# Altium PCB PCB ASCII (pokey v1.0-A01).PcbDoc (part 1 of 5) (continued)
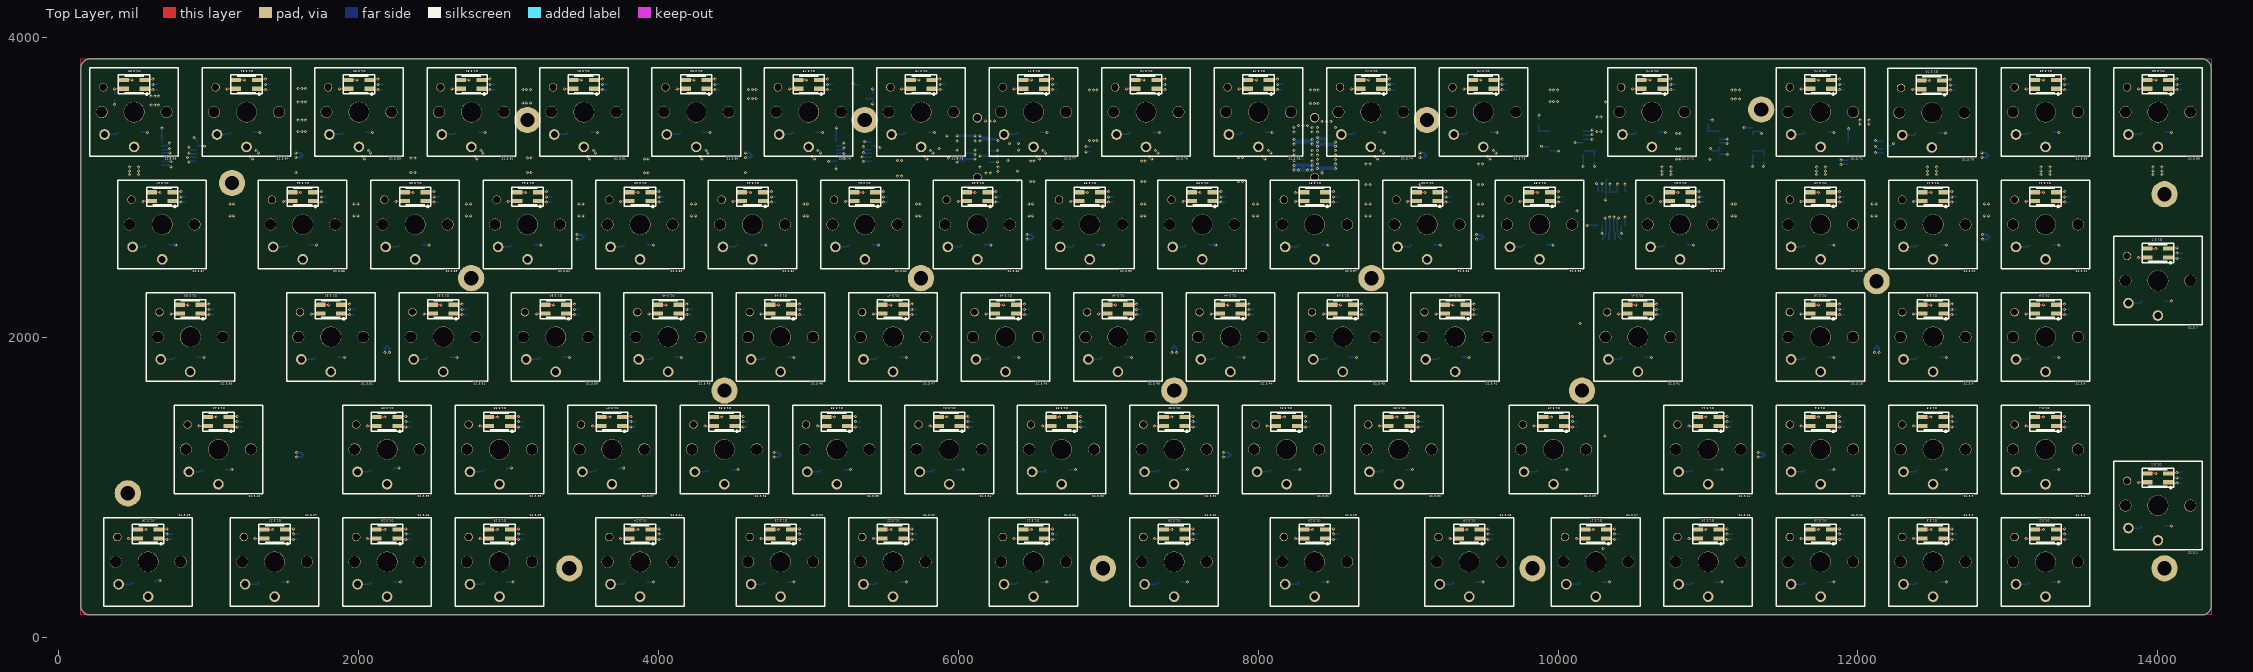
[diagram p0: Top Layer view]
## Design rules (kind name [scope] priority, off if disabled: settings) (continued)
RoomDefinition U175 [All] p0: scope1count=1 scope1_0_kind=ComponentClass scope1_0_value=U175 scope2count=1 scope2_0_kind=Board scope2_0_value=Board commentlength=0 region_x1=76875000 region_y1=31875000 region_x2=83125000 region_y2=38175000 confinementstyle=ConfineIn
RoomDefinition U174 [All] p0: scope1count=1 scope1_0_kind=ComponentClass scope1_0_value=U174 scope2count=1 scope2_0_kind=Board scope2_0_value=Board commentlength=0 region_x1=84375000 region_y1=31875000 region_x2=90625000 region_y2=38175000 confinementstyle=ConfineIn
RoomDefinition U173 [All] p0: scope1count=1 scope1_0_kind=ComponentClass scope1_0_value=U173 scope2count=1 scope2_0_kind=Board scope2_0_value=Board commentlength=0 region_x1=91875000 region_y1=31875000 region_x2=98125000 region_y2=38175000 confinementstyle=ConfineIn
RoomDefinition U172 [All] p0: scope1count=1 scope1_0_kind=ComponentClass scope1_0_value=U172 scope2count=1 scope2_0_kind=Board scope2_0_value=Board commentlength=0 region_x1=103125000 region_y1=31875000 region_x2=109375000 region_y2=38175000 confinementstyle=ConfineIn
RoomDefinition U171 [All] p0: scope1count=1 scope1_0_kind=ComponentClass scope1_0_value=U171 scope2count=1 scope2_0_kind=Board scope2_0_value=Board commentlength=0 region_x1=114375000 region_y1=31875000 region_x2=120625000 region_y2=38175000 confinementstyle=ConfineIn
RoomDefinition U170 [All] p0: scope1count=1 scope1_0_kind=ComponentClass scope1_0_value=U170 scope2count=1 scope2_0_kind=Board scope2_0_value=Board commentlength=0 region_x1=121792916 region_y1=31836820 region_x2=128042916 region_y2=38136820 confinementstyle=ConfineIn
RoomDefinition U169 [All] p0: scope1count=1 scope1_0_kind=ComponentClass scope1_0_value=U169 scope2count=1 scope2_0_kind=Board scope2_0_value=Board commentlength=0 region_x1=129375000 region_y1=31875000 region_x2=135625000 region_y2=38175000 confinementstyle=ConfineIn
RoomDefinition U168 [All] p0: scope1count=1 scope1_0_kind=ComponentClass scope1_0_value=U168 scope2count=1 scope2_0_kind=Board scope2_0_value=Board commentlength=0 region_x1=136875000 region_y1=31875000 region_x2=143125000 region_y2=38175000 confinementstyle=ConfineIn
RoomDefinition U167 [All] p0: scope1count=1 scope1_0_kind=ComponentClass scope1_0_value=U167 scope2count=1 scope2_0_kind=Board scope2_0_value=Board commentlength=0 region_x1=3750000 region_y1=24375000 region_x2=10000000 region_y2=30675000 confinementstyle=ConfineIn
RoomDefinition U166 [All] p0: scope1count=1 scope1_0_kind=ComponentClass scope1_0_value=U166 scope2count=1 scope2_0_kind=Board scope2_0_value=Board commentlength=0 region_x1=13125000 region_y1=24375000 region_x2=19375000 region_y2=30675000 confinementstyle=ConfineIn
RoomDefinition U165 [All] p0: scope1count=1 scope1_0_kind=ComponentClass scope1_0_value=U165 scope2count=1 scope2_0_kind=Board scope2_0_value=Board commentlength=0 region_x1=20625000 region_y1=24375000 region_x2=26875000 region_y2=30675000 confinementstyle=ConfineIn
RoomDefinition U164 [All] p0: scope1count=1 scope1_0_kind=ComponentClass scope1_0_value=U164 scope2count=1 scope2_0_kind=Board scope2_0_value=Board commentlength=0 region_x1=28125000 region_y1=24375000 region_x2=34375000 region_y2=30675000 confinementstyle=ConfineIn
RoomDefinition U163 [All] p0: scope1count=1 scope1_0_kind=ComponentClass scope1_0_value=U163 scope2count=1 scope2_0_kind=Board scope2_0_value=Board commentlength=0 region_x1=35625000 region_y1=24375000 region_x2=41875000 region_y2=30675000 confinementstyle=ConfineIn
RoomDefinition U162 [All] p0: scope1count=1 scope1_0_kind=ComponentClass scope1_0_value=U162 scope2count=1 scope2_0_kind=Board scope2_0_value=Board commentlength=0 region_x1=43125000 region_y1=24375000 region_x2=49375000 region_y2=30675000 confinementstyle=ConfineIn
RoomDefinition U161 [All] p0: scope1count=1 scope1_0_kind=ComponentClass scope1_0_value=U161 scope2count=1 scope2_0_kind=Board scope2_0_value=Board commentlength=0 region_x1=50625000 region_y1=24375000 region_x2=56875000 region_y2=30675000 confinementstyle=ConfineIn
RoomDefinition U160 [All] p0: scope1count=1 scope1_0_kind=ComponentClass scope1_0_value=U160 scope2count=1 scope2_0_kind=Board scope2_0_value=Board commentlength=0 region_x1=58125000 region_y1=24375000 region_x2=64375000 region_y2=30675000 confinementstyle=ConfineIn
RoomDefinition U159 [All] p0: scope1count=1 scope1_0_kind=ComponentClass scope1_0_value=U159 scope2count=1 scope2_0_kind=Board scope2_0_value=Board commentlength=0 region_x1=65625000 region_y1=24375000 region_x2=71875000 region_y2=30675000 confinementstyle=ConfineIn
RoomDefinition U158 [All] p0: scope1count=1 scope1_0_kind=ComponentClass scope1_0_value=U158 scope2count=1 scope2_0_kind=Board scope2_0_value=Board commentlength=0 region_x1=73125000 region_y1=24375000 region_x2=79375000 region_y2=30675000 confinementstyle=ConfineIn
RoomDefinition U157 [All] p0: scope1count=1 scope1_0_kind=ComponentClass scope1_0_value=U157 scope2count=1 scope2_0_kind=Board scope2_0_value=Board commentlength=0 region_x1=80625000 region_y1=24375000 region_x2=86875000 region_y2=30675000 confinementstyle=ConfineIn
RoomDefinition U156 [All] p0: scope1count=1 scope1_0_kind=ComponentClass scope1_0_value=U156 scope2count=1 scope2_0_kind=Board scope2_0_value=Board commentlength=0 region_x1=88125000 region_y1=24375000 region_x2=94375000 region_y2=30675000 confinementstyle=ConfineIn
RoomDefinition U155 [All] p0: scope1count=1 scope1_0_kind=ComponentClass scope1_0_value=U155 scope2count=1 scope2_0_kind=Board scope2_0_value=Board commentlength=0 region_x1=95625000 region_y1=24375000 region_x2=101875000 region_y2=30675000 confinementstyle=ConfineIn
RoomDefinition U154 [All] p0: scope1count=1 scope1_0_kind=ComponentClass scope1_0_value=U154 scope2count=1 scope2_0_kind=Board scope2_0_value=Board commentlength=0 region_x1=105000000 region_y1=24375000 region_x2=111250000 region_y2=30675000 confinementstyle=ConfineIn
RoomDefinition U153 [All] p0: scope1count=1 scope1_0_kind=ComponentClass scope1_0_value=U153 scope2count=1 scope2_0_kind=Board scope2_0_value=Board commentlength=0 region_x1=5625000 region_y1=16875000 region_x2=11875000 region_y2=23175000 confinementstyle=ConfineIn
RoomDefinition U152 [All] p0: scope1count=1 scope1_0_kind=ComponentClass scope1_0_value=U152 scope2count=1 scope2_0_kind=Board scope2_0_value=Board commentlength=0 region_x1=15000000 region_y1=16875000 region_x2=21250000 region_y2=23175000 confinementstyle=ConfineIn
RoomDefinition U151 [All] p0: scope1count=1 scope1_0_kind=ComponentClass scope1_0_value=U151 scope2count=1 scope2_0_kind=Board scope2_0_value=Board commentlength=0 region_x1=22500000 region_y1=16875000 region_x2=28750000 region_y2=23175000 confinementstyle=ConfineIn
RoomDefinition U150 [All] p0: scope1count=1 scope1_0_kind=ComponentClass scope1_0_value=U150 scope2count=1 scope2_0_kind=Board scope2_0_value=Board commentlength=0 region_x1=30000000 region_y1=16875000 region_x2=36250000 region_y2=23175000 confinementstyle=ConfineIn
RoomDefinition U149 [All] p0: scope1count=1 scope1_0_kind=ComponentClass scope1_0_value=U149 scope2count=1 scope2_0_kind=Board scope2_0_value=Board commentlength=0 region_x1=37500000 region_y1=16875000 region_x2=43750000 region_y2=23175000 confinementstyle=ConfineIn
RoomDefinition U148 [All] p0: scope1count=1 scope1_0_kind=ComponentClass scope1_0_value=U148 scope2count=1 scope2_0_kind=Board scope2_0_value=Board commentlength=0 region_x1=45000000 region_y1=16875000 region_x2=51250000 region_y2=23175000 confinementstyle=ConfineIn
RoomDefinition U147 [All] p0: scope1count=1 scope1_0_kind=ComponentClass scope1_0_value=U147 scope2count=1 scope2_0_kind=Board scope2_0_value=Board commentlength=0 region_x1=52500000 region_y1=16875000 region_x2=58750000 region_y2=23175000 confinementstyle=ConfineIn
RoomDefinition U146 [All] p0: scope1count=1 scope1_0_kind=ComponentClass scope1_0_value=U146 scope2count=1 scope2_0_kind=Board scope2_0_value=Board commentlength=0 region_x1=60000000 region_y1=16875000 region_x2=66250000 region_y2=23175000 confinementstyle=ConfineIn
RoomDefinition U145 [All] p0: scope1count=1 scope1_0_kind=ComponentClass scope1_0_value=U145 scope2count=1 scope2_0_kind=Board scope2_0_value=Board commentlength=0 region_x1=67500000 region_y1=16875000 region_x2=73750000 region_y2=23175000 confinementstyle=ConfineIn
RoomDefinition U144 [All] p0: scope1count=1 scope1_0_kind=ComponentClass scope1_0_value=U144 scope2count=1 scope2_0_kind=Board scope2_0_value=Board commentlength=0 region_x1=75000000 region_y1=16875000 region_x2=81250000 region_y2=23175000 confinementstyle=ConfineIn
RoomDefinition U143 [All] p0: scope1count=1 scope1_0_kind=ComponentClass scope1_0_value=U143 scope2count=1 scope2_0_kind=Board scope2_0_value=Board commentlength=0 region_x1=82500000 region_y1=16875000 region_x2=88750000 region_y2=23175000 confinementstyle=ConfineIn
RoomDefinition U142 [All] p0: scope1count=1 scope1_0_kind=ComponentClass scope1_0_value=U142 scope2count=1 scope2_0_kind=Board scope2_0_value=Board commentlength=0 region_x1=90000000 region_y1=16875000 region_x2=96250000 region_y2=23175000 confinementstyle=ConfineIn
RoomDefinition U141 [All] p0: scope1count=1 scope1_0_kind=ComponentClass scope1_0_value=U141 scope2count=1 scope2_0_kind=Board scope2_0_value=Board commentlength=0 region_x1=102187500 region_y1=16875000 region_x2=108437500 region_y2=23175000 confinementstyle=ConfineIn
RoomDefinition U140 [All] p0: scope1count=1 scope1_0_kind=ComponentClass scope1_0_value=U140 scope2count=1 scope2_0_kind=Board scope2_0_value=Board commentlength=0 region_x1=7500000 region_y1=9375000 region_x2=13750000 region_y2=15675000 confinementstyle=ConfineIn
RoomDefinition U139 [All] p0: scope1count=1 scope1_0_kind=ComponentClass scope1_0_value=U139 scope2count=1 scope2_0_kind=Board scope2_0_value=Board commentlength=0 region_x1=18750000 region_y1=9375000 region_x2=25000000 region_y2=15675000 confinementstyle=ConfineIn
RoomDefinition U138 [All] p0: scope1count=1 scope1_0_kind=ComponentClass scope1_0_value=U138 scope2count=1 scope2_0_kind=Board scope2_0_value=Board commentlength=0 region_x1=26250000 region_y1=9375000 region_x2=32500000 region_y2=15675000 confinementstyle=ConfineIn
RoomDefinition U137 [All] p0: scope1count=1 scope1_0_kind=ComponentClass scope1_0_value=U137 scope2count=1 scope2_0_kind=Board scope2_0_value=Board commentlength=0 region_x1=33750000 region_y1=9375000 region_x2=40000000 region_y2=15675000 confinementstyle=ConfineIn
RoomDefinition U136 [All] p0: scope1count=1 scope1_0_kind=ComponentClass scope1_0_value=U136 scope2count=1 scope2_0_kind=Board scope2_0_value=Board commentlength=0 region_x1=41250000 region_y1=9375000 region_x2=47500000 region_y2=15675000 confinementstyle=ConfineIn
RoomDefinition U135 [All] p0: scope1count=1 scope1_0_kind=ComponentClass scope1_0_value=U135 scope2count=1 scope2_0_kind=Board scope2_0_value=Board commentlength=0 region_x1=48750000 region_y1=9375000 region_x2=55000000 region_y2=15675000 confinementstyle=ConfineIn
RoomDefinition U134 [All] p0: scope1count=1 scope1_0_kind=ComponentClass scope1_0_value=U134 scope2count=1 scope2_0_kind=Board scope2_0_value=Board commentlength=0 region_x1=56250000 region_y1=9375000 region_x2=62500000 region_y2=15675000 confinementstyle=ConfineIn
RoomDefinition U133 [All] p0: scope1count=1 scope1_0_kind=ComponentClass scope1_0_value=U133 scope2count=1 scope2_0_kind=Board scope2_0_value=Board commentlength=0 region_x1=63750000 region_y1=9375000 region_x2=70000000 region_y2=15675000 confinementstyle=ConfineIn
RoomDefinition U132 [All] p0: scope1count=1 scope1_0_kind=ComponentClass scope1_0_value=U132 scope2count=1 scope2_0_kind=Board scope2_0_value=Board commentlength=0 region_x1=71250000 region_y1=9375000 region_x2=77500000 region_y2=15675000 confinementstyle=ConfineIn
RoomDefinition U131 [All] p0: scope1count=1 scope1_0_kind=ComponentClass scope1_0_value=U131 scope2count=1 scope2_0_kind=Board scope2_0_value=Board commentlength=0 region_x1=78750000 region_y1=9375000 region_x2=85000000 region_y2=15675000 confinementstyle=ConfineIn
RoomDefinition U130 [All] p0: scope1count=1 scope1_0_kind=ComponentClass scope1_0_value=U130 scope2count=1 scope2_0_kind=Board scope2_0_value=Board commentlength=0 region_x1=86250000 region_y1=9375000 region_x2=92500000 region_y2=15675000 confinementstyle=ConfineIn
RoomDefinition U129 [All] p0: scope1count=1 scope1_0_kind=ComponentClass scope1_0_value=U129 scope2count=1 scope2_0_kind=Board scope2_0_value=Board commentlength=0 region_x1=96562500 region_y1=9375000 region_x2=102812500 region_y2=15675000 confinementstyle=ConfineIn
RoomDefinition U128 [All] p0: scope1count=1 scope1_0_kind=ComponentClass scope1_0_value=U128 scope2count=1 scope2_0_kind=Board scope2_0_value=Board commentlength=0 region_x1=2812500 region_y1=1875000 region_x2=9062500 region_y2=8175000 confinementstyle=ConfineIn
RoomDefinition U127 [All] p0: scope1count=1 scope1_0_kind=ComponentClass scope1_0_value=U127 scope2count=1 scope2_0_kind=Board scope2_0_value=Board commentlength=0 region_x1=11250000 region_y1=1875000 region_x2=17500000 region_y2=8175000 confinementstyle=ConfineIn
RoomDefinition U126 [All] p0: scope1count=1 scope1_0_kind=ComponentClass scope1_0_value=U126 scope2count=1 scope2_0_kind=Board scope2_0_value=Board commentlength=0 region_x1=18750000 region_y1=1875000 region_x2=25000000 region_y2=8175000 confinementstyle=ConfineIn
RoomDefinition U125 [All] p0: scope1count=1 scope1_0_kind=ComponentClass scope1_0_value=U125 scope2count=1 scope2_0_kind=Board scope2_0_value=Board commentlength=0 region_x1=26250000 region_y1=1875000 region_x2=32500000 region_y2=8175000 confinementstyle=ConfineIn
RoomDefinition U124 [All] p0: scope1count=1 scope1_0_kind=ComponentClass scope1_0_value=U124 scope2count=1 scope2_0_kind=Board scope2_0_value=Board commentlength=0 region_x1=35625000 region_y1=1875000 region_x2=41875000 region_y2=8175000 confinementstyle=ConfineIn
RoomDefinition U123 [All] p0: scope1count=1 scope1_0_kind=ComponentClass scope1_0_value=U123 scope2count=1 scope2_0_kind=Board scope2_0_value=Board commentlength=0 region_x1=45000000 region_y1=1875000 region_x2=51250000 region_y2=8175000 confinementstyle=ConfineIn
RoomDefinition U122 [All] p0: scope1count=1 scope1_0_kind=ComponentClass scope1_0_value=U122 scope2count=1 scope2_0_kind=Board scope2_0_value=Board commentlength=0 region_x1=52500000 region_y1=1875000 region_x2=58750000 region_y2=8175000 confinementstyle=ConfineIn
RoomDefinition U121 [All] p0: scope1count=1 scope1_0_kind=ComponentClass scope1_0_value=U121 scope2count=1 scope2_0_kind=Board scope2_0_value=Board commentlength=0 region_x1=61875000 region_y1=1875000 region_x2=68125000 region_y2=8175000 confinementstyle=ConfineIn
RoomDefinition U117 [All] p0: scope1count=1 scope1_0_kind=ComponentClass scope1_0_value=U117 scope2count=1 scope2_0_kind=Board scope2_0_value=Board commentlength=0 region_x1=99375000 region_y1=1875000 region_x2=105625000 region_y2=8175000 confinementstyle=ConfineIn
RoomDefinition U116 [All] p0: scope1count=1 scope1_0_kind=ComponentClass scope1_0_value=U116 scope2count=1 scope2_0_kind=Board scope2_0_value=Board commentlength=0 region_x1=106875000 region_y1=1875000 region_x2=113125000 region_y2=8175000 confinementstyle=ConfineIn
RoomDefinition U115 [All] p0: scope1count=1 scope1_0_kind=ComponentClass scope1_0_value=U115 scope2count=1 scope2_0_kind=Board scope2_0_value=Board commentlength=0 region_x1=114375000 region_y1=1875000 region_x2=120625000 region_y2=8175000 confinementstyle=ConfineIn
RoomDefinition U114 [All] p0: scope1count=1 scope1_0_kind=ComponentClass scope1_0_value=U114 scope2count=1 scope2_0_kind=Board scope2_0_value=Board commentlength=0 region_x1=106875000 region_y1=9375000 region_x2=113125000 region_y2=15675000 confinementstyle=ConfineIn
RoomDefinition U113 [All] p0: scope1count=1 scope1_0_kind=ComponentClass scope1_0_value=U113 scope2count=1 scope2_0_kind=Board scope2_0_value=Board commentlength=0 region_x1=114375000 region_y1=24375000 region_x2=120625000 region_y2=30675000 confinementstyle=ConfineIn
RoomDefinition U112 [All] p0: scope1count=1 scope1_0_kind=ComponentClass scope1_0_value=U112 scope2count=1 scope2_0_kind=Board scope2_0_value=Board commentlength=0 region_x1=121875000 region_y1=24375000 region_x2=128125000 region_y2=30675000 confinementstyle=ConfineIn
RoomDefinition U111 [All] p0: scope1count=1 scope1_0_kind=ComponentClass scope1_0_value=U111 scope2count=1 scope2_0_kind=Board scope2_0_value=Board commentlength=0 region_x1=129375000 region_y1=24375000 region_x2=135625000 region_y2=30675000 confinementstyle=ConfineIn
RoomDefinition U110 [All] p0: scope1count=1 scope1_0_kind=ComponentClass scope1_0_value=U110 scope2count=1 scope2_0_kind=Board scope2_0_value=Board commentlength=0 region_x1=114375000 region_y1=16875000 region_x2=120625000 region_y2=23175000 confinementstyle=ConfineIn
RoomDefinition U19 [All] p0: scope1count=1 scope1_0_kind=ComponentClass scope1_0_value=U19 scope2count=1 scope2_0_kind=Board scope2_0_value=Board commentlength=0 region_x1=121875000 region_y1=16875000 region_x2=128125000 region_y2=23175000 confinementstyle=ConfineIn
RoomDefinition U18 [All] p0: scope1count=1 scope1_0_kind=ComponentClass scope1_0_value=U18 scope2count=1 scope2_0_kind=Board scope2_0_value=Board commentlength=0 region_x1=129375000 region_y1=16875000 region_x2=135625000 region_y2=23175000 confinementstyle=ConfineIn
RoomDefinition U17 [All] p0: scope1count=1 scope1_0_kind=ComponentClass scope1_0_value=U17 scope2count=1 scope2_0_kind=Board scope2_0_value=Board commentlength=0 region_x1=136875000 region_y1=20625000 region_x2=143125000 region_y2=26925000 confinementstyle=ConfineIn
RoomDefinition U16 [All] p0: scope1count=1 scope1_0_kind=ComponentClass scope1_0_value=U16 scope2count=1 scope2_0_kind=Board scope2_0_value=Board commentlength=0 region_x1=114375000 region_y1=9375000 region_x2=120625000 region_y2=15675000 confinementstyle=ConfineIn
RoomDefinition U15 [All] p0: scope1count=1 scope1_0_kind=ComponentClass scope1_0_value=U15 scope2count=1 scope2_0_kind=Board scope2_0_value=Board commentlength=0 region_x1=121875000 region_y1=9375000 region_x2=128125000 region_y2=15675000 confinementstyle=ConfineIn
RoomDefinition U14 [All] p0: scope1count=1 scope1_0_kind=ComponentClass scope1_0_value=U14 scope2count=1 scope2_0_kind=Board scope2_0_value=Board commentlength=0 region_x1=129375000 region_y1=9375000 region_x2=135625000 region_y2=15675000 confinementstyle=ConfineIn
RoomDefinition U13 [All] p0: scope1count=1 scope1_0_kind=ComponentClass scope1_0_value=U13 scope2count=1 scope2_0_kind=Board scope2_0_value=Board commentlength=0 region_x1=121875000 region_y1=1875000 region_x2=128125000 region_y2=8175000 confinementstyle=ConfineIn
RoomDefinition U12 [All] p0: scope1count=1 scope1_0_kind=ComponentClass scope1_0_value=U12 scope2count=1 scope2_0_kind=Board scope2_0_value=Board commentlength=0 region_x1=129375000 region_y1=1875000 region_x2=135625000 region_y2=8175000 confinementstyle=ConfineIn
RoomDefinition U11 [All] p0: scope1count=1 scope1_0_kind=ComponentClass scope1_0_value=U11 scope2count=1 scope2_0_kind=Board scope2_0_value=Board commentlength=0 region_x1=136875000 region_y1=5625000 region_x2=143125000 region_y2=11925000 confinementstyle=ConfineIn
RoomDefinition U120 [InComponentClass('U120')] p1: confinementstyle=ConfineIn formatcopy=FALSE lockcomponents=FALSE outline 7125,187.5 7750,187.5 7750,817.5 7125,817.5
RoomDefinition U119 [InComponentClass('U119')] p2: confinementstyle=ConfineIn formatcopy=FALSE lockcomponents=FALSE outline 8062.5,187.5 8687.5,187.5 8687.5,817.5 8062.5,817.5
RoomDefinition U118 [InComponentClass('U118')] p3: confinementstyle=ConfineIn formatcopy=FALSE lockcomponents=FALSE outline 9093.75,187.5 9718.75,187.5 9718.75,817.5 9093.75,817.5
RoomDefinition U176 [InComponentClass('U176')] p4: confinementstyle=ConfineIn formatcopy=FALSE lockcomponents=FALSE outline 6860,3187.5 7562.5,3187.5 7562.5,3817.5 6860,3817.5
RoomDefinition U178 [InComponentClass('U178')] p5: confinementstyle=ConfineIn formatcopy=FALSE lockcomponents=FALSE outline 5437.5,3187.5 6062.5,3187.5 6062.5,3817.5 5437.5,3817.5
RoomDefinition U177 [InComponentClass('U177')] p6: confinementstyle=ConfineIn formatcopy=FALSE lockcomponents=FALSE outline 6187.5,3187.5 6812.5,3187.5 6812.5,3817.5 6187.5,3817.5
RoomDefinition U185 [InComponentClass('U185')] p7: confinementstyle=ConfineIn formatcopy=FALSE lockcomponents=FALSE outline 187.5,3187.5 812.5,3187.5 812.5,3817.5 187.5,3817.5
RoomDefinition U184 [InComponentClass('U184')] p8: confinementstyle=ConfineIn formatcopy=FALSE lockcomponents=FALSE outline 937.5,3187.5 1562.5,3187.5 1562.5,3817.5 937.5,3817.5
RoomDefinition U183 [InComponentClass('U183')] p9: confinementstyle=ConfineIn formatcopy=FALSE lockcomponents=FALSE outline 1687.5,3187.5 2312.5,3187.5 2312.5,3817.5 1687.5,3817.5
RoomDefinition U182 [InComponentClass('U182')] p10: confinementstyle=ConfineIn formatcopy=FALSE lockcomponents=FALSE outline 2437.5,3187.5 3062.5,3187.5 3062.5,3817.5 2437.5,3817.5
RoomDefinition U181 [InComponentClass('U181')] p11: confinementstyle=ConfineIn formatcopy=FALSE lockcomponents=FALSE outline 3187.5,3187.5 3812.5,3187.5 3812.5,3817.5 3187.5,3817.5
RoomDefinition U180 [InComponentClass('U180')] p12: confinementstyle=ConfineIn formatcopy=FALSE lockcomponents=FALSE outline 3937.5,3187.5 4562.5,3187.5 4562.5,3817.5 3937.5,3817.5
RoomDefinition U179 [InComponentClass('U179')] p13: confinementstyle=ConfineIn formatcopy=FALSE lockcomponents=FALSE outline 4687.5,3187.5 5312.5,3187.5 5312.5,3817.5 4687.5,3817.5
RoomDefinition U175 [InComponentClass('U175')] p14: confinementstyle=ConfineIn formatcopy=FALSE lockcomponents=FALSE outline 7687.5,3187.5 8312.5,3187.5 8312.5,3817.5 7687.5,3817.5
RoomDefinition U174 [InComponentClass('U174')] p15: confinementstyle=ConfineIn formatcopy=FALSE lockcomponents=FALSE outline 8437.5,3187.5 9062.5,3187.5 9062.5,3817.5 8437.5,3817.5
RoomDefinition U173 [InComponentClass('U173')] p16: confinementstyle=ConfineIn formatcopy=FALSE lockcomponents=FALSE outline 9187.5,3187.5 9812.5,3187.5 9812.5,3817.5 9187.5,3817.5
RoomDefinition U172 [InComponentClass('U172')] p17: confinementstyle=ConfineIn formatcopy=FALSE lockcomponents=FALSE outline 10312.5,3187.5 10937.5,3187.5 10937.5,3817.5 10312.5,3817.5
RoomDefinition U171 [InComponentClass('U171')] p18: confinementstyle=ConfineIn formatcopy=FALSE lockcomponents=FALSE outline 11437.5,3187.5 12062.5,3187.5 12062.5,3817.5 11437.5,3817.5
RoomDefinition U170 [InComponentClass('U170')] p19: confinementstyle=ConfineIn formatcopy=FALSE lockcomponents=FALSE outline 12179.29,3183.68 12804.29,3183.68 12804.29,3813.68 12179.29,3813.68
RoomDefinition U169 [InComponentClass('U169')] p20: confinementstyle=ConfineIn formatcopy=FALSE lockcomponents=FALSE outline 12937.5,3187.5 13562.5,3187.5 13562.5,3817.5 12937.5,3817.5
RoomDefinition U168 [InComponentClass('U168')] p21: confinementstyle=ConfineIn formatcopy=FALSE lockcomponents=FALSE outline 13687.5,3187.5 14312.5,3187.5 14312.5,3817.5 13687.5,3817.5
RoomDefinition U167 [InComponentClass('U167')] p22: confinementstyle=ConfineIn formatcopy=TRUE lockcomponents=FALSE outline 375,2437.5 1000,2437.5 1000,3067.5 375,3067.5
RoomDefinition U166 [InComponentClass('U166')] p23: confinementstyle=ConfineIn formatcopy=TRUE lockcomponents=FALSE outline 1312.5,2437.5 1937.5,2437.5 1937.5,3067.5 1312.5,3067.5
RoomDefinition U165 [InComponentClass('U165')] p24: confinementstyle=ConfineIn formatcopy=TRUE lockcomponents=FALSE outline 2062.5,2437.5 2687.5,2437.5 2687.5,3067.5 2062.5,3067.5
RoomDefinition U164 [InComponentClass('U164')] p25: confinementstyle=ConfineIn formatcopy=TRUE lockcomponents=FALSE outline 2812.5,2437.5 3437.5,2437.5 3437.5,3067.5 2812.5,3067.5
RoomDefinition U163 [InComponentClass('U163')] p26: confinementstyle=ConfineIn formatcopy=TRUE lockcomponents=FALSE outline 3562.5,2437.5 4187.5,2437.5 4187.5,3067.5 3562.5,3067.5
RoomDefinition U162 [InComponentClass('U162')] p27: confinementstyle=ConfineIn formatcopy=TRUE lockcomponents=FALSE outline 4312.5,2437.5 4937.5,2437.5 4937.5,3067.5 4312.5,3067.5
RoomDefinition U161 [InComponentClass('U161')] p28: confinementstyle=ConfineIn formatcopy=TRUE lockcomponents=FALSE outline 5062.5,2437.5 5687.5,2437.5 5687.5,3067.5 5062.5,3067.5
RoomDefinition U160 [InComponentClass('U160')] p29: confinementstyle=ConfineIn formatcopy=TRUE lockcomponents=FALSE outline 5812.5,2437.5 6437.5,2437.5 6437.5,3067.5 5812.5,3067.5
RoomDefinition U159 [InComponentClass('U159')] p30: confinementstyle=ConfineIn formatcopy=TRUE lockcomponents=FALSE outline 6562.5,2437.5 7187.5,2437.5 7187.5,3067.5 6562.5,3067.5
RoomDefinition U158 [InComponentClass('U158')] p31: confinementstyle=ConfineIn formatcopy=TRUE lockcomponents=FALSE outline 7312.5,2437.5 7937.5,2437.5 7937.5,3067.5 7312.5,3067.5
RoomDefinition U157 [InComponentClass('U157')] p32: confinementstyle=ConfineIn formatcopy=TRUE lockcomponents=FALSE outline 8062.5,2437.5 8687.5,2437.5 8687.5,3067.5 8062.5,3067.5
RoomDefinition U156 [InComponentClass('U156')] p33: confinementstyle=ConfineIn formatcopy=TRUE lockcomponents=FALSE outline 8812.5,2437.5 9437.5,2437.5 9437.5,3067.5 8812.5,3067.5
RoomDefinition U155 [InComponentClass('U155')] p34: confinementstyle=ConfineIn formatcopy=TRUE lockcomponents=FALSE outline 9562.5,2437.5 10187.5,2437.5 10187.5,3067.5 9562.5,3067.5
RoomDefinition U154 [InComponentClass('U154')] p35: confinementstyle=ConfineIn formatcopy=FALSE lockcomponents=FALSE outline 10500,2437.5 11125,2437.5 11125,3067.5 10500,3067.5
RoomDefinition U153 [InComponentClass('U153')] p36: confinementstyle=ConfineIn formatcopy=FALSE lockcomponents=FALSE outline 562.5,1687.5 1187.5,1687.5 1187.5,2317.5 562.5,2317.5
RoomDefinition U152 [InComponentClass('U152')] p37: confinementstyle=ConfineIn formatcopy=FALSE lockcomponents=FALSE outline 1500,1687.5 2125,1687.5 2125,2317.5 1500,2317.5
RoomDefinition U151 [InComponentClass('U151')] p38: confinementstyle=ConfineIn formatcopy=FALSE lockcomponents=FALSE outline 2250,1687.5 2875,1687.5 2875,2317.5 2250,2317.5
RoomDefinition U150 [InComponentClass('U150')] p39: confinementstyle=ConfineIn formatcopy=FALSE lockcomponents=FALSE outline 3000,1687.5 3625,1687.5 3625,2317.5 3000,2317.5
RoomDefinition U149 [InComponentClass('U149')] p40: confinementstyle=ConfineIn formatcopy=FALSE lockcomponents=FALSE outline 3750,1687.5 4375,1687.5 4375,2317.5 3750,2317.5
RoomDefinition U148 [InComponentClass('U148')] p41: confinementstyle=ConfineIn formatcopy=FALSE lockcomponents=FALSE outline 4500,1687.5 5125,1687.5 5125,2317.5 4500,2317.5
RoomDefinition U147 [InComponentClass('U147')] p42: confinementstyle=ConfineIn formatcopy=FALSE lockcomponents=FALSE outline 5250,1687.5 5875,1687.5 5875,2317.5 5250,2317.5
RoomDefinition U146 [InComponentClass('U146')] p43: confinementstyle=ConfineIn formatcopy=FALSE lockcomponents=FALSE outline 6000,1687.5 6625,1687.5 6625,2317.5 6000,2317.5
RoomDefinition U145 [InComponentClass('U145')] p44: confinementstyle=ConfineIn formatcopy=FALSE lockcomponents=FALSE outline 6750,1687.5 7375,1687.5 7375,2317.5 6750,2317.5
RoomDefinition U144 [InComponentClass('U144')] p45: confinementstyle=ConfineIn formatcopy=FALSE lockcomponents=FALSE outline 7500,1687.5 8125,1687.5 8125,2317.5 7500,2317.5
RoomDefinition U143 [InComponentClass('U143')] p46: confinementstyle=ConfineIn formatcopy=FALSE lockcomponents=FALSE outline 8250,1687.5 8875,1687.5 8875,2317.5 8250,2317.5
RoomDefinition U142 [InComponentClass('U142')] p47: confinementstyle=ConfineIn formatcopy=FALSE lockcomponents=FALSE outline 9000,1687.5 9625,1687.5 9625,2317.5 9000,2317.5
RoomDefinition U141 [InComponentClass('U141')] p48: confinementstyle=ConfineIn formatcopy=FALSE lockcomponents=FALSE outline 10218.75,1687.5 10843.75,1687.5 10843.75,2317.5 10218.75,2317.5
RoomDefinition U140 [InComponentClass('U140')] p49: confinementstyle=ConfineIn formatcopy=TRUE lockcomponents=FALSE outline 750,937.5 1375,937.5 1375,1567.5 750,1567.5
RoomDefinition U139 [InComponentClass('U139')] p50: confinementstyle=ConfineIn formatcopy=TRUE lockcomponents=FALSE outline 1875,937.5 2500,937.5 2500,1567.5 1875,1567.5
RoomDefinition U138 [InComponentClass('U138')] p51: confinementstyle=ConfineIn formatcopy=TRUE lockcomponents=FALSE outline 2625,937.5 3250,937.5 3250,1567.5 2625,1567.5
RoomDefinition U137 [InComponentClass('U137')] p52: confinementstyle=ConfineIn formatcopy=TRUE lockcomponents=FALSE outline 3375,937.5 4000,937.5 4000,1567.5 3375,1567.5
RoomDefinition U136 [InComponentClass('U136')] p53: confinementstyle=ConfineIn formatcopy=TRUE lockcomponents=FALSE outline 4125,937.5 4750,937.5 4750,1567.5 4125,1567.5
RoomDefinition U135 [InComponentClass('U135')] p54: confinementstyle=ConfineIn formatcopy=TRUE lockcomponents=FALSE outline 4875,937.5 5500,937.5 5500,1567.5 4875,1567.5
RoomDefinition U134 [InComponentClass('U134')] p55: confinementstyle=ConfineIn formatcopy=TRUE lockcomponents=FALSE outline 5625,937.5 6250,937.5 6250,1567.5 5625,1567.5
RoomDefinition U133 [InComponentClass('U133')] p56: confinementstyle=ConfineIn formatcopy=TRUE lockcomponents=FALSE outline 6375,937.5 7000,937.5 7000,1567.5 6375,1567.5
RoomDefinition U132 [InComponentClass('U132')] p57: confinementstyle=ConfineIn formatcopy=TRUE lockcomponents=FALSE outline 7125,937.5 7750,937.5 7750,1567.5 7125,1567.5
RoomDefinition U131 [InComponentClass('U131')] p58: confinementstyle=ConfineIn formatcopy=TRUE lockcomponents=FALSE outline 7875,937.5 8500,937.5 8500,1567.5 7875,1567.5
RoomDefinition U130 [InComponentClass('U130')] p59: confinementstyle=ConfineIn formatcopy=TRUE lockcomponents=FALSE outline 8625,937.5 9250,937.5 9250,1567.5 8625,1567.5
RoomDefinition U129 [InComponentClass('U129')] p60: confinementstyle=ConfineIn formatcopy=TRUE lockcomponents=FALSE outline 9656.25,937.5 10281.25,937.5 10281.25,1567.5 9656.25,1567.5
RoomDefinition U128 [InComponentClass('U128')] p61: confinementstyle=ConfineIn formatcopy=FALSE lockcomponents=FALSE outline 281.25,187.5 906.25,187.5 906.25,817.5 281.25,817.5
RoomDefinition U127 [InComponentClass('U127')] p62: confinementstyle=ConfineIn formatcopy=FALSE lockcomponents=FALSE outline 1125,187.5 1750,187.5 1750,817.5 1125,817.5
RoomDefinition U126 [InComponentClass('U126')] p63: confinementstyle=ConfineIn formatcopy=FALSE lockcomponents=FALSE outline 1875,187.5 2500,187.5 2500,817.5 1875,817.5
RoomDefinition U125 [InComponentClass('U125')] p64: confinementstyle=ConfineIn formatcopy=FALSE lockcomponents=FALSE outline 2625,187.5 3250,187.5 3250,817.5 2625,817.5
RoomDefinition U124 [InComponentClass('U124')] p65: confinementstyle=ConfineIn formatcopy=FALSE lockcomponents=FALSE outline 3562.5,187.5 4187.5,187.5 4187.5,817.5 3562.5,817.5
RoomDefinition U123 [InComponentClass('U123')] p66: confinementstyle=ConfineIn formatcopy=FALSE lockcomponents=FALSE outline 4500,187.5 5125,187.5 5125,817.5 4500,817.5
RoomDefinition U122 [InComponentClass('U122')] p67: confinementstyle=ConfineIn formatcopy=FALSE lockcomponents=FALSE outline 5250,187.5 5875,187.5 5875,817.5 5250,817.5
RoomDefinition U121 [InComponentClass('U121')] p68: confinementstyle=ConfineIn formatcopy=FALSE lockcomponents=FALSE outline 6187.5,187.5 6812.5,187.5 6812.5,817.5 6187.5,817.5
RoomDefinition U117 [InComponentClass('U117')] p69: confinementstyle=ConfineIn formatcopy=FALSE lockcomponents=FALSE outline 9937.5,187.5 10562.5,187.5 10562.5,817.5 9937.5,817.5
RoomDefinition U116 [InComponentClass('U116')] p70: confinementstyle=ConfineIn formatcopy=FALSE lockcomponents=FALSE outline 10687.5,187.5 11312.5,187.5 11312.5,817.5 10687.5,817.5
RoomDefinition U115 [InComponentClass('U115')] p71: confinementstyle=ConfineIn formatcopy=FALSE lockcomponents=FALSE outline 11437.5,187.5 12062.5,187.5 12062.5,817.5 11437.5,817.5
RoomDefinition U114 [InComponentClass('U114')] p72: confinementstyle=ConfineIn formatcopy=TRUE lockcomponents=FALSE outline 10687.5,937.5 11312.5,937.5 11312.5,1567.5 10687.5,1567.5
RoomDefinition U113 [InComponentClass('U113')] p73: confinementstyle=ConfineIn formatcopy=TRUE lockcomponents=FALSE outline 11437.5,2437.5 12062.5,2437.5 12062.5,3067.5 11437.5,3067.5